# Altium PCB PCB2.PcbDoc (part 1 of 2)
Units mm, origin at the board's own origin, x right, y up, seen from the top; angles counter-clockwise.
Board outline 130 x 80 mm, 4 copper layers (L1, L2, L3, L4), stack 0.618 mm thick; 279 components, 192 nets, 912 pads, 258 vias.
Unrouted connection lines stored in the file: 519.
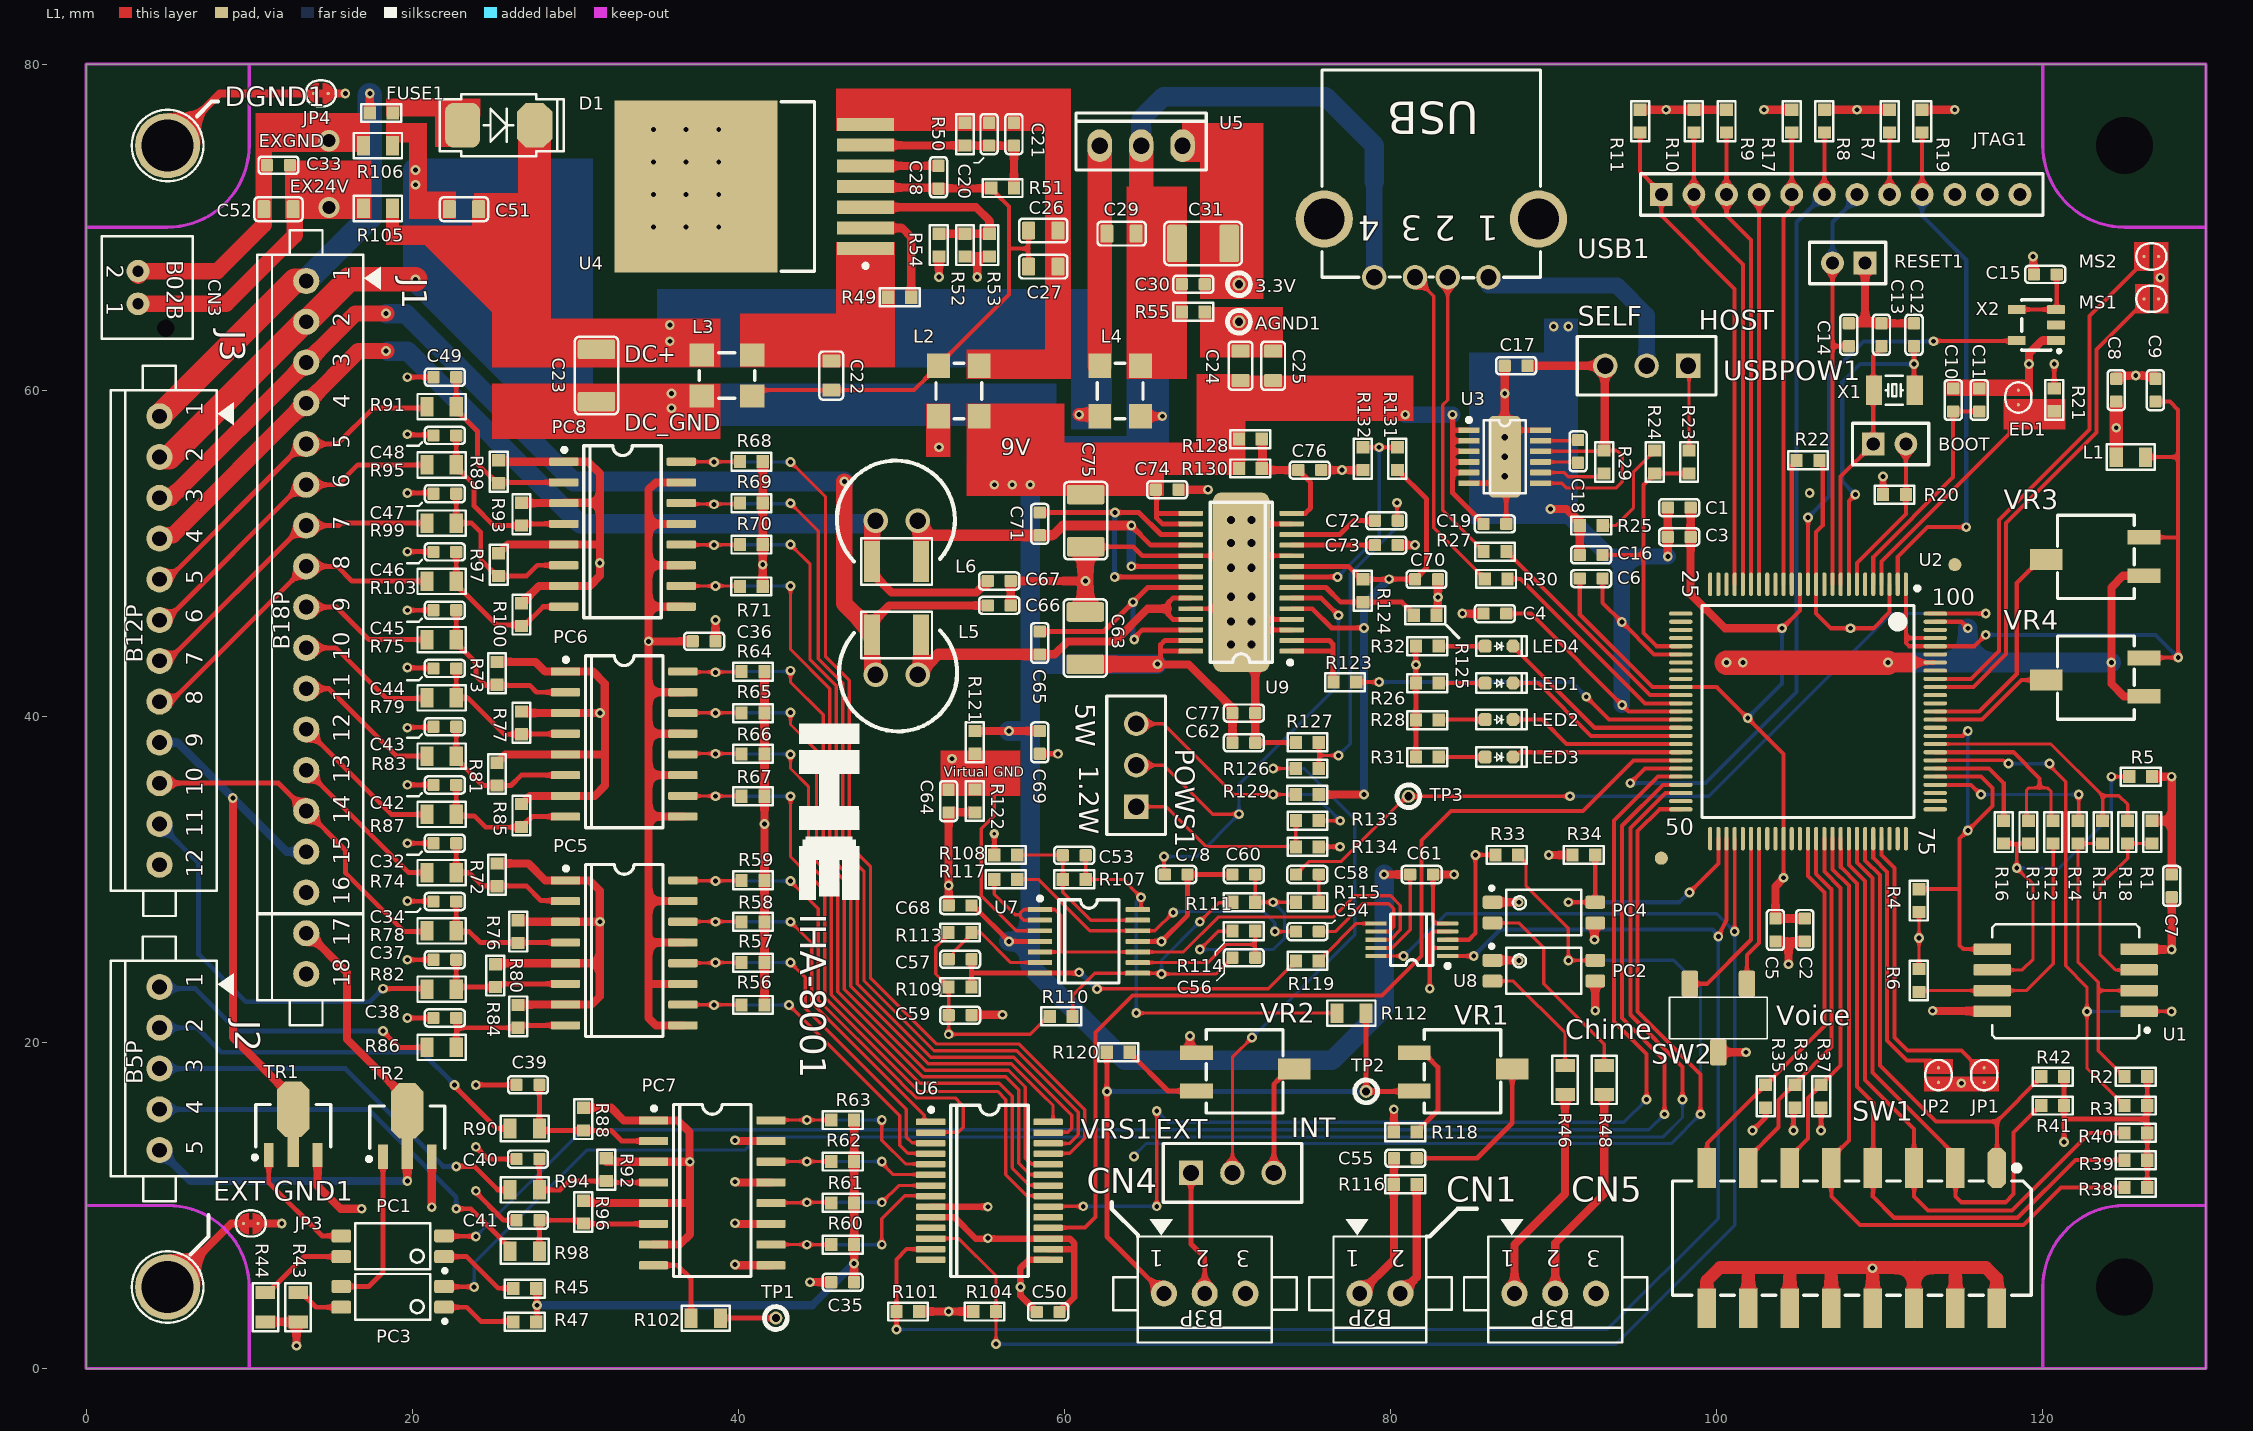
[diagram p0: L1 view]
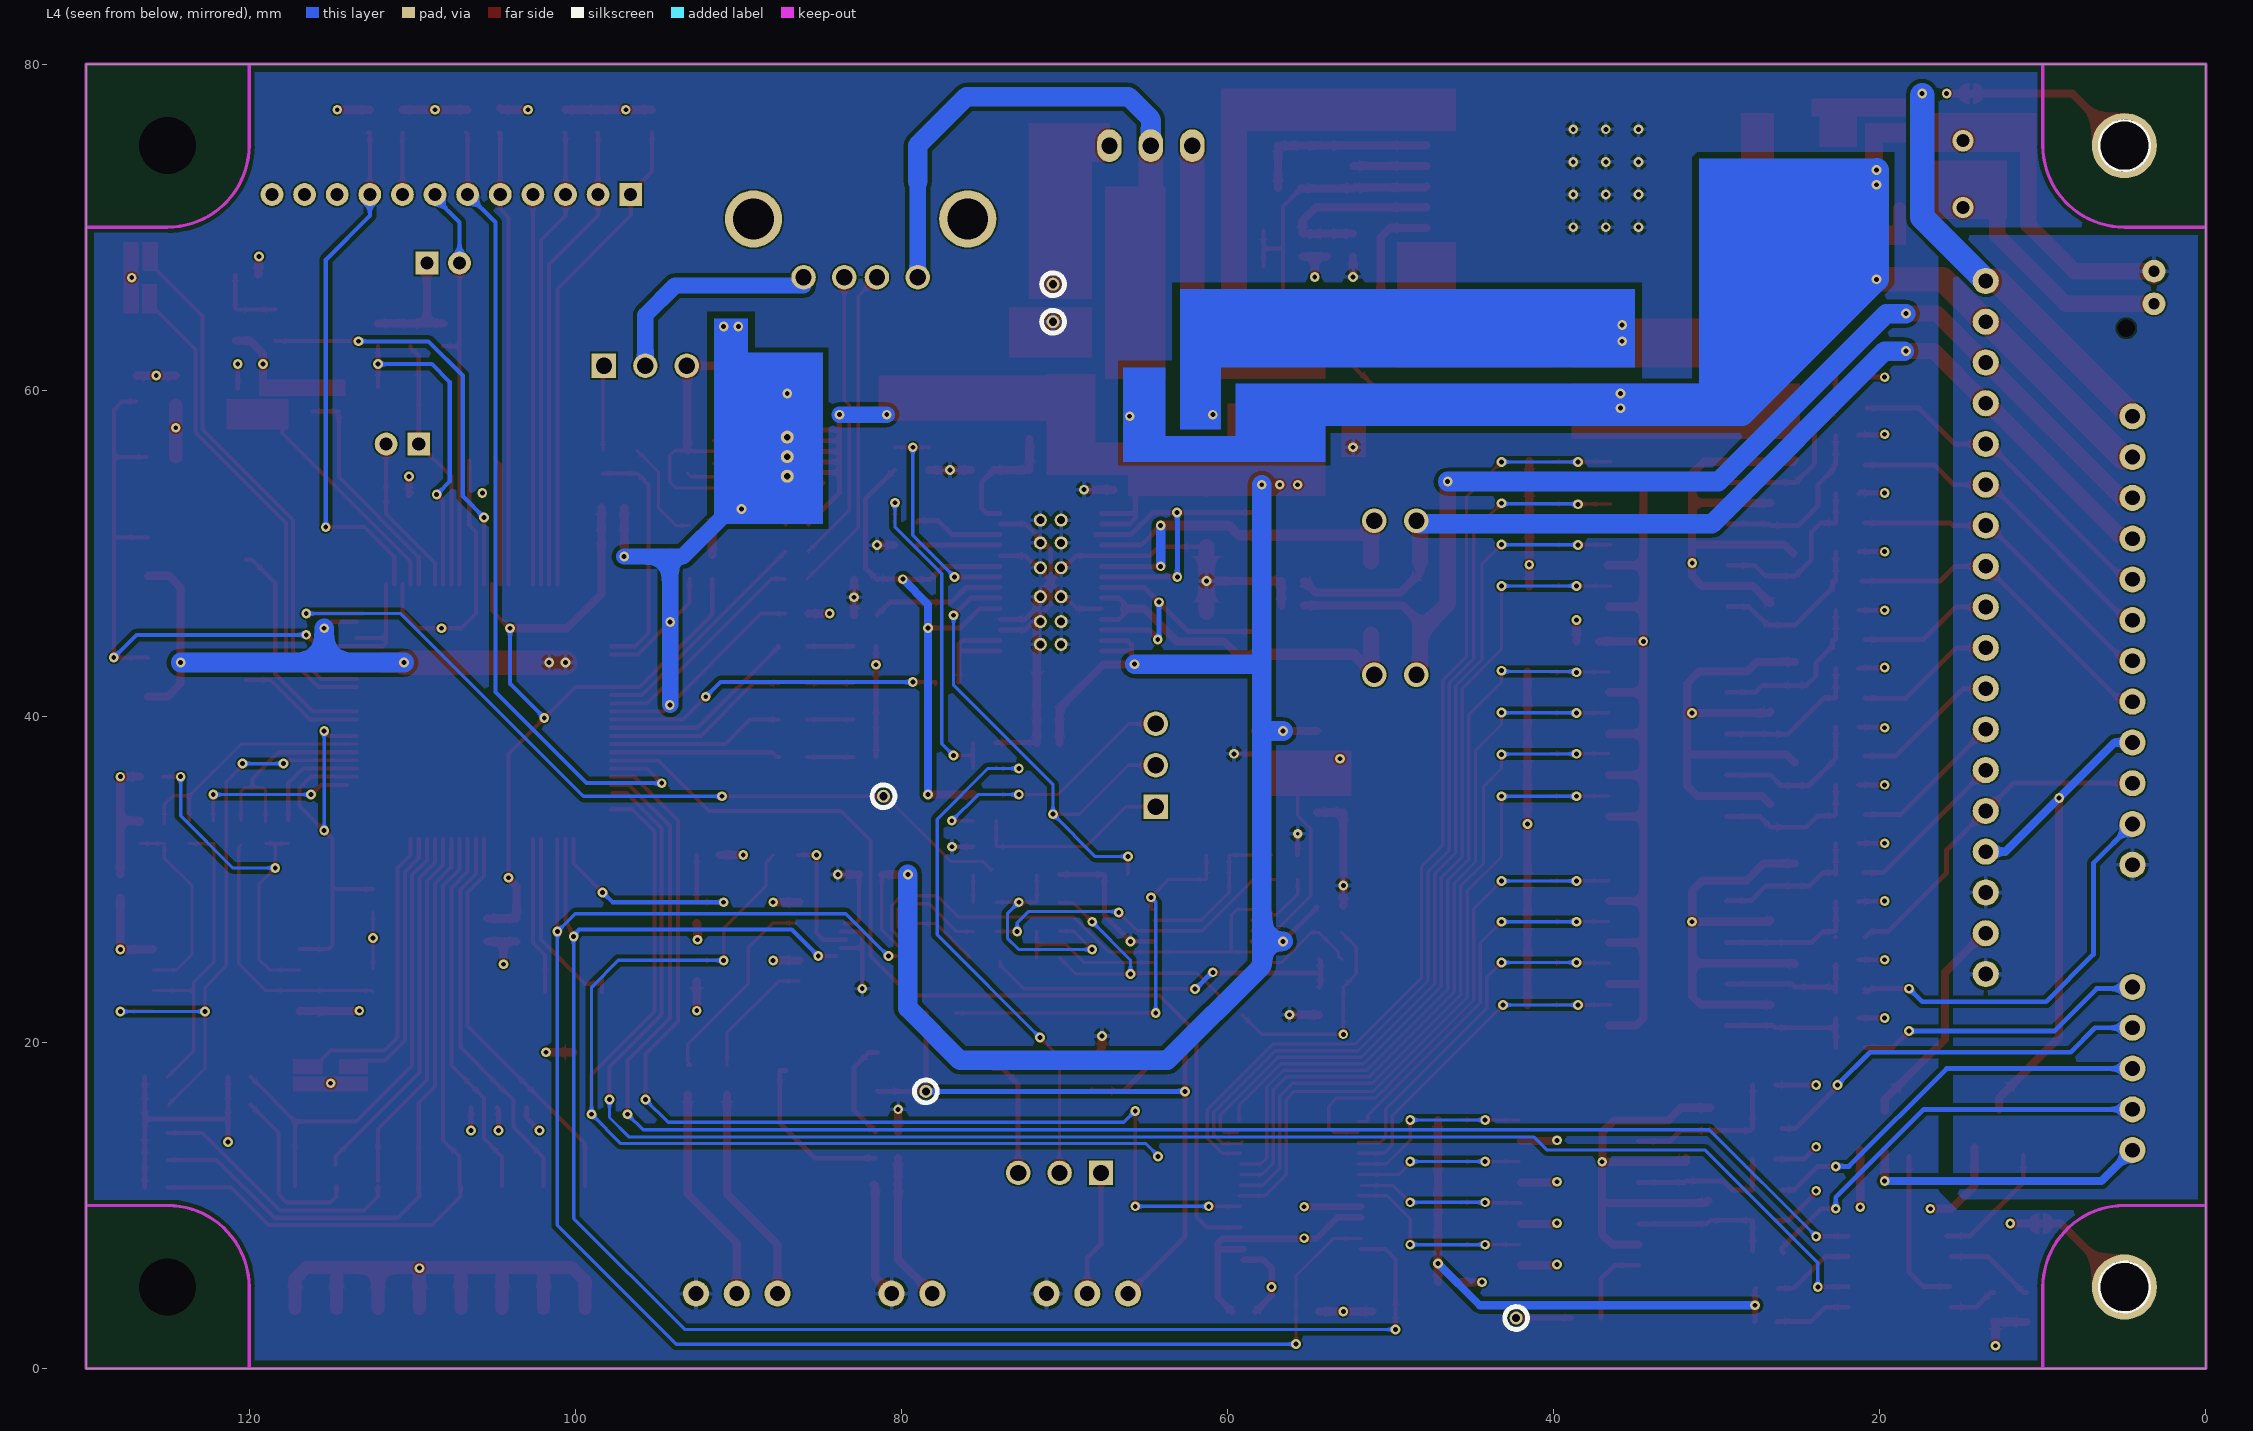
[diagram p1: L4 view, seen from below]
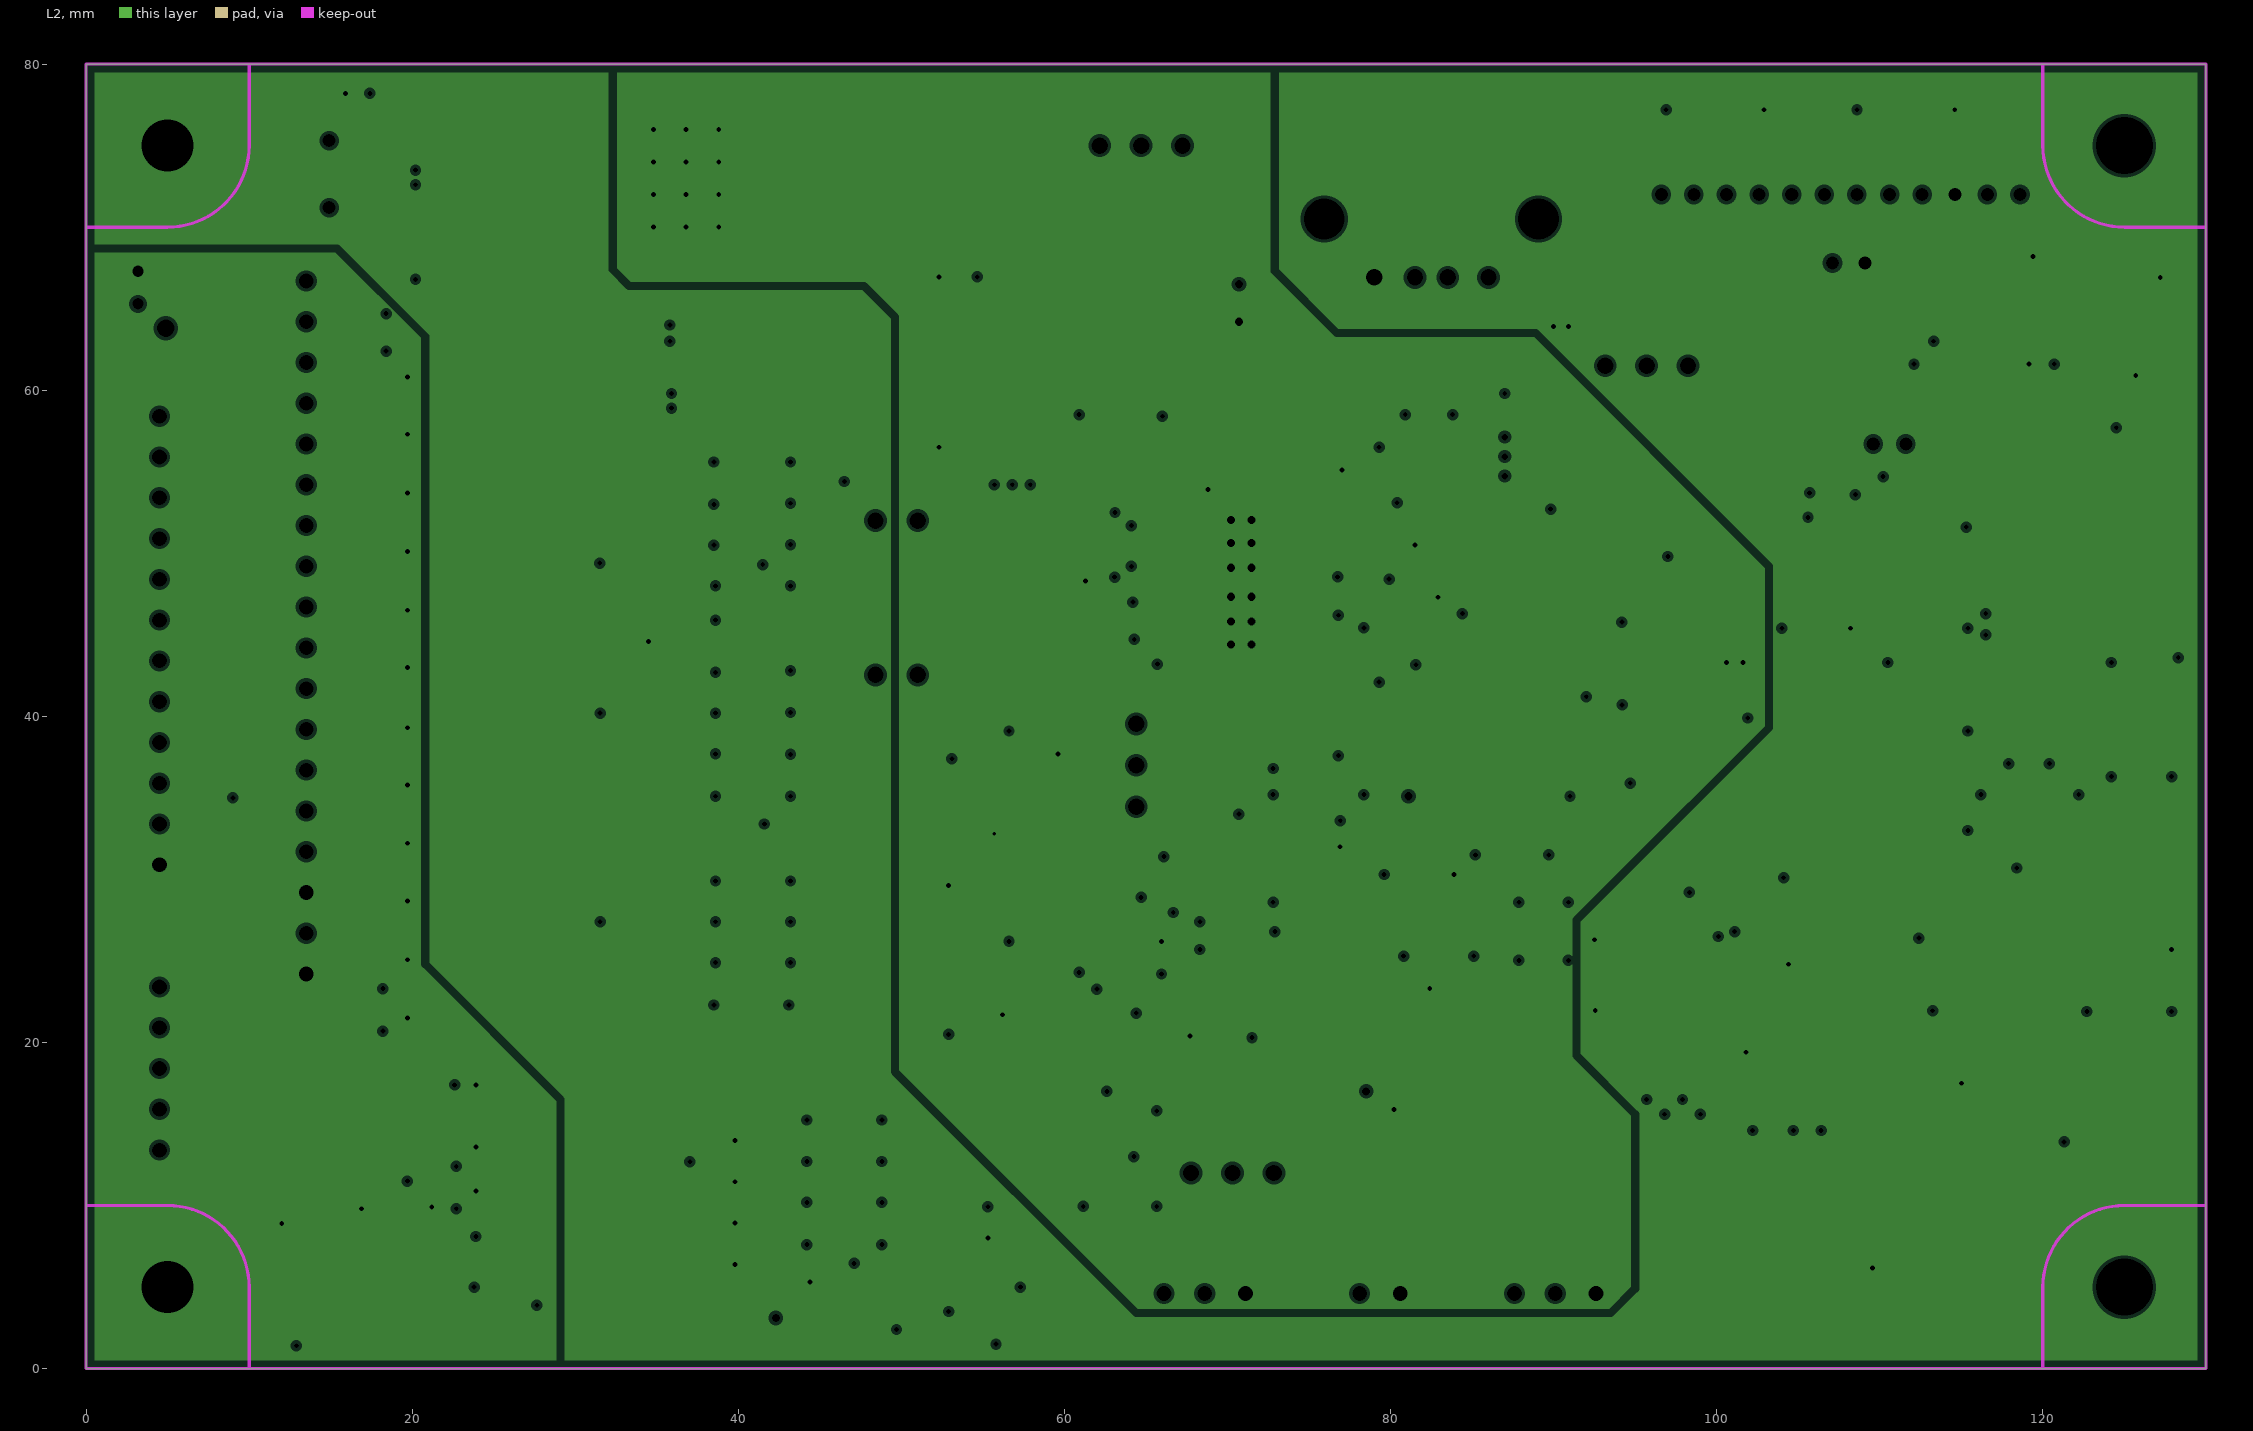
[diagram p2: L2, clearances drawn from the general rule]